# Altium PCB Mother_Board_PCB.PcbDoc (part 2 of 2)
Units mm, origin at the board's own origin, x right, y up, seen from the top; angles counter-clockwise.
Board outline 169 x 150.57 mm, 2 copper layers (Top Layer, Bottom Layer), stack 1.57 mm thick; 88 components, 81 nets, 390 pads, 163 vias.
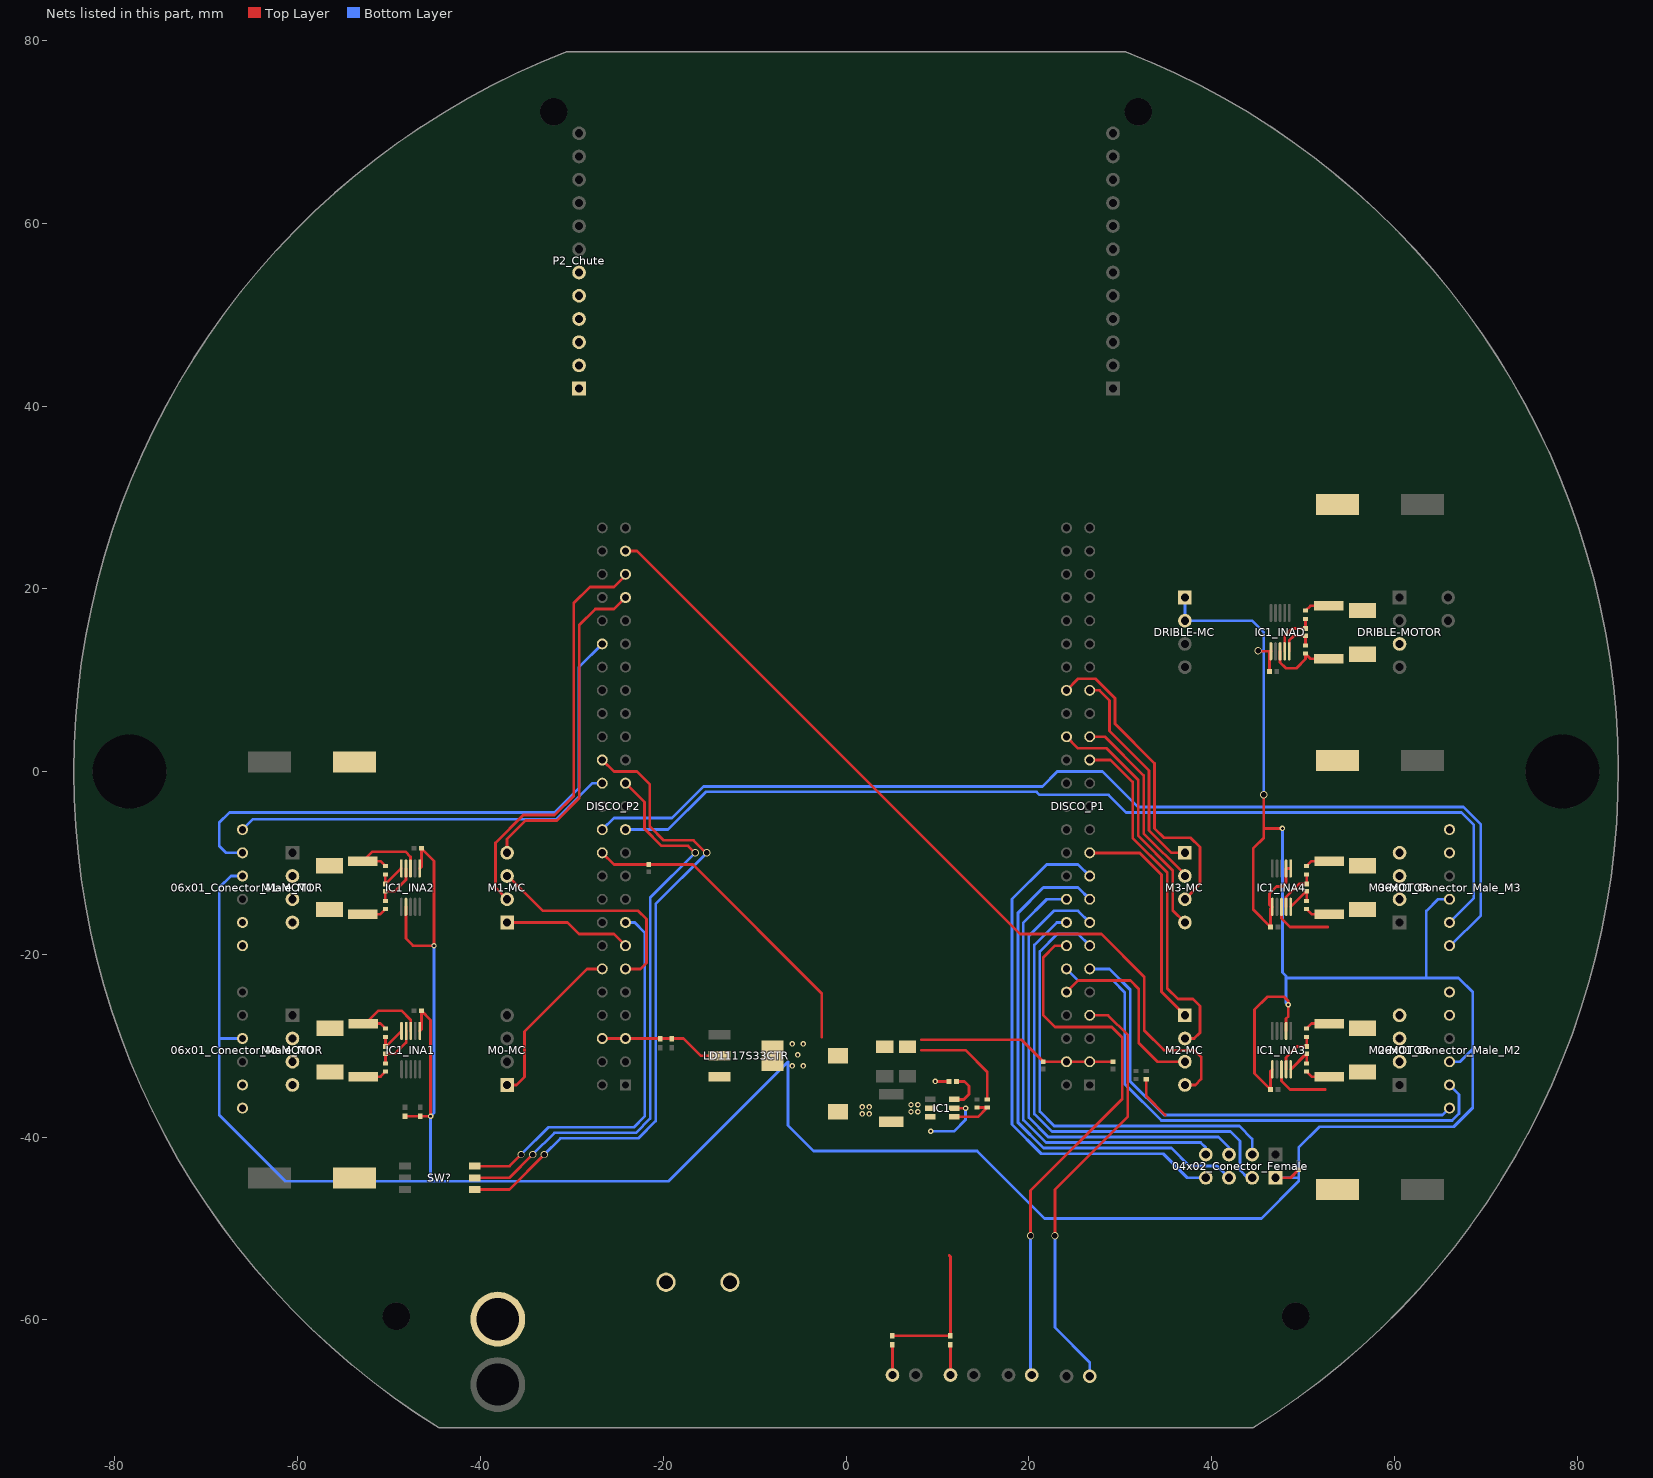
[diagram p2: the nets of this part, all layers, seen from the top]

## Via types
v1: diameter 0.8, hole 0.6, Top Layer to Bottom Layer, 134 vias
v2: diameter 0.6, hole 0.3, Top Layer to Bottom Layer, 29 vias

## Nets (pads, with @x,y where several pads share a name; then routed paths per layer and width w, separated by ;. In a path a pad name is that pad's centre, name@x,y a point inside that pad or via, vN(x,y) a via of type N, cw(c..) or ccw(c..) an arc to the next point about the centre after c; other vN are vias at no path point) (continued)
M0_MBL: DISCO_P2.12 M0-MC.3 | length 18.6
  Top Layer w0.3: M0-MC.3@-37.084,-34.29 -36.068,-34.29 -35.179,-33.401 -35.179,-28.448 -28.321,-21.59 DISCO_P2.12@-26.67,-21.59
M1_ENCA: 06x01_Conector_Male_M1.2 DISCO_P2.40 | length 63.1
  Bottom Layer w0.3: 06x01_Conector_Male_M1.2@-66.04,-8.89 -67.818,-8.89 -68.58,-8.128 -68.58,-5.588 -67.464,-4.472 -31.904,-4.472 -29.21,-1.778 -29.21,11.43 DISCO_P2.40@-26.67,13.97
M1_ENCB: 06x01_Conector_Male_M1.1 DISCO_P2.28 | length 41.5
  Bottom Layer w0.3: 06x01_Conector_Male_M1.1@-66.04,-6.35 -64.897,-5.207 -31.663,-5.207 -31.177,-4.721 -27.726,-1.27 DISCO_P2.28@-26.67,-1.27
M1_MAH: DISCO_P2.43 M1-MC.0 | length 36.5
  Top Layer w0.3: M1-MC.0@-37.084,-8.89 -37.084,-7.372 -35.068,-5.356 -31.639,-5.356 -29.188,-2.905 -29.188,16.024 -27.432,17.78 -25.4,17.78 DISCO_P2.43@-24.13,19.05
M1_MAL: DISCO_P2.11 M1-MC.1 | length 24.5
  Top Layer w0.3: M1-MC.1@-37.02,-11.367 -33.147,-15.24 -22.733,-15.24 -21.844,-16.129 -21.844,-20.955 -22.479,-21.59 DISCO_P2.11@-24.13,-21.59
M1_MBH: DISCO_P2.45 M1-MC.2 | length 45.5
  Top Layer w0.3: M1-MC.2@-37.084,-13.97 -38.354,-12.7 -38.354,-7.793 -35.317,-4.756 -31.888,-4.756 -29.788,-2.656 -29.788,18.432 -28.027,20.193 -25.4,20.193 -24.13,21.463 DISCO_P2.45@-24.13,21.59
M1_MBL: DISCO_P2.13 M1-MC.3 | length 14
  Top Layer w0.3: M1-MC.3@-37.084,-16.51 -30.48,-16.51 -29.21,-17.78 -25.4,-17.78 DISCO_P2.13@-24.13,-19.05
M2_ENCA: 06x01_Conector_Male_M2.2 DISCO_P1.12 | length 59.6
  Bottom Layer w0.3: DISCO_P1.12@24.13,-21.59 25.4,-22.86 29.21,-22.86 30.503,-24.153 30.503,-34.186 34.509,-38.192 66.329,-38.192 67.09,-37.431 67.09,-35.34 06x01_Conector_Male_M2.2@66.04,-34.29
M2_ENCB: 06x01_Conector_Male_M2.1 DISCO_P1.11 | length 52.2
  Bottom Layer w0.3: DISCO_P1.11@26.67,-21.59 28.817,-21.59 31.103,-23.876 31.103,-33.897 34.798,-37.592 65.278,-37.592 06x01_Conector_Male_M2.1@66.04,-36.83
M2_MAH: DISCO_P2.47 M2-MC.0 | length 93.8
  Top Layer w0.3: DISCO_P2.47@-24.13,24.13 -22.86,24.13 19.05,-17.78 27.94,-17.78 32.639,-22.479 32.639,-28.321 34.798,-30.48 38.1,-30.48 38.862,-31.242 38.862,-33.655 38.227,-34.29 M2-MC.0@37.084,-34.29
M2_MAL: DISCO_P1.10 M2-MC.1 | length 20.6
  Top Layer w0.3: DISCO_P1.10@24.13,-24.13 25.4,-22.86 31.115,-22.86 32.039,-23.784 32.039,-29.713 34.076,-31.75 M2-MC.1@37.084,-31.75
M2_MBH: DISCO_P1.29 M2-MC.2 | length 39.1
  Top Layer w0.3: DISCO_P1.29@26.67,1.27 28.956,1.27 31.369,-1.143 31.369,-7.265 35.154,-11.05 35.154,-23.724 36.322,-24.892 37.973,-24.892 38.735,-25.654 38.735,-28.575 38.1,-29.21 M2-MC.2@37.084,-29.21
M2_MBL: DISCO_P1.21 M2-MC.3 | length 25.3
  Top Layer w0.32: DISCO_P1.21@26.67,-8.89 32.131,-8.89 34.544,-11.303 34.544,-24.13 M2-MC.3@37.084,-26.67
M3_ENCA: 06x01_Conector_Male_M3.2 DISCO_P2.23 | length 107.8
  Bottom Layer w0.3: DISCO_P2.23@-24.13,-6.35 -19.477,-6.35 -15.348,-2.221 20.85,-2.221 21.169,-2.54 28.718,-2.54 30.658,-4.48 67.331,-4.48 68.707,-5.856 68.707,-13.843 06x01_Conector_Male_M3.2@66.04,-16.51
M3_ENCB: 06x01_Conector_Male_M3.1 DISCO_P2.24 | length 115.9
  Bottom Layer w0.3: DISCO_P2.24@-26.67,-6.35 -25.4,-5.08 -19.056,-5.08 -15.597,-1.621 21.493,-1.621 23.114,0 28.067,0 31.947,-3.88 67.579,-3.88 69.469,-5.77 69.469,-15.748 66.167,-19.05 06x01_Conector_Male_M3.1@66.04,-19.05
M3_MAH: DISCO_P1.32 M3-MC.0 | length 27.5
  Top Layer w0.3: DISCO_P1.32@24.13,3.81 25.4,2.54 28.535,2.54 31.969,-0.894 31.969,-7.017 35.754,-10.802 35.754,-15.18 M3-MC.0@37.084,-16.51
M3_MAL: DISCO_P1.36 M3-MC.1 | length 35
  Top Layer w0.3: DISCO_P1.36@24.13,8.89 25.4,10.16 27.305,10.16 29.437,8.028 29.437,5.234 33.769,0.902 33.769,-6.21 34.798,-7.239 37.719,-7.239 38.735,-8.255 38.735,-12.319 M3-MC.1@37.084,-13.97
M3_MBH: DISCO_P1.31 M3-MC.2 | length 20.5
  Top Layer w0.3: DISCO_P1.31@26.67,3.81 28.321,3.81 32.569,-0.438 32.569,-6.768 37.084,-11.283 M3-MC.2@37.084,-11.43
M3_MBL: DISCO_P1.35 M3-MC.3 | length 23.6
  Top Layer w0.3: DISCO_P1.35@26.67,8.89 27.726,8.89 28.837,7.779 28.837,4.437 33.169,0.105 33.169,-6.459 35.6,-8.89 M3-MC.3@37.084,-8.89
MA_M0: 06x01_Conector_Male_M0.5 M0-MOTOR.1
MA_M1: 06x01_Conector_Male_M1.5 M1-MOTOR.1
MA_M2: 06x01_Conector_Male_M2.5 M2-MOTOR.1
MA_M3: 06x01_Conector_Male_M3.5 M3-MOTOR.1
MB_M0: 06x01_Conector_Male_M0.6 M0-MOTOR.0
MB_M1: 06x01_Conector_Male_M1.6 M1-MOTOR.0
MB_M2: 06x01_Conector_Male_M2.6 M2-MOTOR.0
MB_M3: 06x01_Conector_Male_M3.6 M3-MOTOR.0
MISO: 04x02_Conector_Female.0 DISCO_P1.18 | length 49.3
  Bottom Layer w0.3: DISCO_P1.18@24.13,-13.97 21.971,-13.97 19.409,-16.532 19.409,-38.121 21.88,-40.592 38.814,-40.592 39.37,-41.148 04x02_Conector_Female.0@39.37,-41.91
MOSI: 04x02_Conector_Female.5 DISCO_P1.17 | length 58.1
  Bottom Layer w0.32: DISCO_P1.17@26.67,-13.97 25.4,-12.7 21.59,-12.7 18.799,-15.491 18.799,-38.374 21.627,-41.202 35.614,-41.202 37.592,-43.18 40.64,-43.18 04x02_Conector_Female.5@41.91,-44.45
NetBAT_0: BAT.0 SW.0
NetC1_1: C1.1 IC1.6 | length 4.3
  Top Layer w0.3: IC1.6@11.841,-35.88 12.888,-35.88 13.462,-35.306 13.462,-34.417 12.954,-33.909 C1.1@12.084,-33.909
NetC1_2: C1.2 IC1.2 L1.1 | length 1.5
  Top Layer w0.3: v2(9.779,-33.909) C1.2@11.284,-33.909
  other v2: 1.778,-37.465 2.54,-37.465 7.112,-37.211 7.874,-37.211 1.778,-36.703 2.54,-36.703 7.112,-36.449 7.874,-36.449
NetC1_INA1_1: C1_INA1.1 IC1_INA1.10 R2_INA1.1 | length 3.5
  Top Layer w0.3: R2_INA1.1@-50.387,-29.026 C1_INA1.1@-50.387,-30.08 -50.343,-30.08 IC1_INA1.10@-48.643,-28.38
NetC1_INA1_2: C1_INA1.2 IC1_INA1.9 R3_INA1.1 | length 5.1
  Top Layer w0.3: R3_INA1.1@-50.387,-31.934 C1_INA1.2@-50.387,-30.88 -49.358,-30.88 -48.133,-29.654 IC1_INA1.9@-48.133,-28.38
NetC1_INA2_1: C1_INA2.1 IC1_INA2.10 R2_INA2.1 | length 3.5
  Top Layer w0.3: R2_INA2.1@-50.412,-11.246 C1_INA2.1@-50.412,-12.3 -48.712,-10.6 IC1_INA2.10@-48.667,-10.6
NetC1_INA2_2: 0R.1 C1_INA2.2 IC1_INA2.9 | length 5.1
  Top Layer w0.3: 0R.1@-50.412,-14.154 C1_INA2.2@-50.412,-13.1 -49.422,-13.1 -48.157,-11.835 IC1_INA2.9@-48.157,-10.6
NetC1_INA3_1: C1_INA3.1 IC1_INA3.10 R2_INA3.1 | length 3.5
  Top Layer w0.3: IC1_INA3.10@48.667,-32.58 50.367,-30.88 C1_INA3.1@50.412,-30.88 R2_INA3.1@50.412,-31.935
NetC1_INA3_2: C1_INA3.2 IC1_INA3.9 R3_INA3.1 | length 5.1
  Top Layer w0.3: IC1_INA3.9@48.157,-32.58 48.157,-31.306 49.383,-30.08 C1_INA3.2@50.412,-30.08 R3_INA3.1@50.412,-29.025
NetC1_INA4_1: C1_INA4.1 IC1_INA4.10 R2_INA4.1 | length 3.5
  Top Layer w0.3: IC1_INA4.10@48.657,-14.8 50.357,-13.1 C1_INA4.1@50.412,-13.1 R2_INA4.1@50.412,-14.155
NetC1_INA4_2: C1_INA4.2 IC1_INA4.9 R3_INA4.1 | length 5
  Top Layer w0.3: IC1_INA4.9@48.157,-14.8 48.157,-13.743 49.6,-12.3 C1_INA4.2@50.412,-12.3 R3_INA4.1@50.412,-11.246
NetC1_INAD_1: C1_INAD.1 IC1_INAD.10 R2_INAD.1 | length 4.2
  Top Layer w0.3: IC1_INAD.10@48.498,13.161 48.498,14.335 49.023,14.86 C1_INAD.1@50.292,14.86 R2_INAD.1@50.292,13.806
NetC1_INAD_2: C1_INAD.2 IC1_INAD.9 R3_INAD.1 | length 5.4
  Top Layer w0.3: IC1_INAD.9@47.998,13.161 47.998,14.851 48.807,15.66 C1_INAD.2@50.292,15.66 R3_INAD.1@50.292,16.715
NetC1_M0_2: FM_M0.1 M0-MOTOR.2
NetC1_M1_2: FM_M1.1 M1-MOTOR.2
NetC1_M2_2: FM_M2.1 M2-MOTOR.2
NetC1_M3_2: FM_M3.1 M3-MOTOR.2
NetCON_DM_1: DF.2 DRIBLE-MOTOR.1
NetDF_1: DF.1 R1_INAD.1 R3_INAD.2 | length 2.8
  Top Layer w0.3: R3_INAD.2@50.292,17.615 50.817,18.14 R1_INAD.1@52.832,18.14
NetFM_M0_2: FM_M0.2 R1_INA1.1 R3_INA1.2 | length 2.7
  Top Layer w0.3: R1_INA1.1@-52.841,-33.38 -50.933,-33.38 R3_INA1.2@-50.387,-32.834
NetFM_M1_2: 0R.2 FM_M1.2 R1_INA2.1 | length 2.7
  Top Layer w0.3: R1_INA2.1@-52.866,-15.6 -50.957,-15.6 0R.2@-50.412,-15.054
NetFM_M2_2: FM_M2.2 R1_INA3.1 R3_INA3.2 | length 2.7
  Top Layer w0.3: R3_INA3.2@50.412,-28.125 50.957,-27.58 R1_INA3.1@52.866,-27.58
NetFM_M3_2: FM_M3.2 R1_INA4.1 R3_INA4.2 | length 2.7
  Top Layer w0.3: R3_INA4.2@50.412,-10.346 50.957,-9.8 R1_INA4.1@52.866,-9.8
NetIC1_4: IC1.4 R1.1 R2.2 | length 5.1
  Top Layer w0.3: IC1.4@11.841,-37.78 14.447,-37.78 R1.1@15.455,-36.772 R2.2@14.351,-36.772
NetLED1_2: 330R.2@5.08,-62.73 LED1.2 | length 3.3
  Top Layer w0.3: LED1.2@5.08,-66.04 330R.2@5.08,-62.73
NetLED2_2: 330R.2@11.43,-62.73 LED2.2 | length 3.3
  Top Layer w0.3: LED2.2@11.43,-66.04 330R.2@11.43,-62.73
NRF_CE: 04x02_Conector_Female.2 DISCO_P1.13 | length 50.5
  Bottom Layer w0.3: DISCO_P1.13@26.67,-19.05 25.4,-17.78 23.114,-17.78 21.209,-19.685 21.209,-37.211 22.79,-38.792 43.042,-38.792 44.45,-40.2 04x02_Conector_Female.2@44.45,-41.91
NRF_CS#: 04x02_Conector_Female.6 DISCO_P1.16 | length 51.6
  Bottom Layer w0.3: DISCO_P1.16@24.13,-16.51 23.069,-16.51 20.609,-18.97 20.609,-37.46 22.541,-39.392 42.059,-39.392 43.11,-40.443 43.11,-43.618 43.942,-44.45 04x02_Conector_Female.6@44.45,-44.45
NRF_IRQ: 04x02_Conector_Female.4 DISCO_P1.19 | length 58.9
  Bottom Layer w0.32: DISCO_P1.19@26.67,-11.43 25.4,-10.16 21.971,-10.16 18.179,-13.952 18.179,-38.631 21.37,-41.822 34.71,-41.822 37.338,-44.45 04x02_Conector_Female.4@39.37,-44.45
S1: DISCO_P1.7 SEN1.2 | length 47.3
  Top Layer w0.3: v1(22.86,-50.8) 22.86,-45.72 30.839,-37.741 30.839,-28.847 28.662,-26.67 DISCO_P1.7@26.67,-26.67
  Bottom Layer w0.3: v1(22.86,-50.8) 22.86,-60.833 26.67,-64.643 SEN1.2@26.67,-66.167
S2: DISCO_P1.14 SEN2.2 | length 60.2
  Top Layer w0.3: v1(20.193,-50.8) 20.193,-45.847 30.226,-35.814 30.226,-29.083 29.083,-27.94 22.86,-27.94 21.59,-26.67 21.59,-20.32 22.86,-19.05 DISCO_P1.14@24.13,-19.05
  Bottom Layer w0.3: v1(20.193,-50.8) 20.193,-65.913 SEN2.2@20.32,-66.04
SCK: 04x02_Conector_Female.1 DISCO_P1.15 | length 52.2
  Bottom Layer w0.3: DISCO_P1.15@26.67,-16.51 25.4,-15.24 22.733,-15.24 20.009,-17.964 20.009,-37.873 22.128,-39.992 40.754,-39.992 41.91,-41.148 04x02_Conector_Female.1@41.91,-41.91
SW1: DISCO_P2.15 SW?.6 | length 43.6
  Top Layer w0.3: SW?.6@-40.64,-43.18 -36.83,-43.18 v1(-35.56,-41.91)
  Bottom Layer w0.3: v1(-35.56,-41.91) -32.582,-38.932 -23.23,-38.932 -22.028,-37.73 -22.028,-17.596 -23.114,-16.51 DISCO_P2.15@-24.13,-16.51
SW2: DISCO_P2.27 SW?.5 | length 65.5
  Top Layer w0.3: SW?.5@-40.64,-44.45 -36.83,-44.45 v1(-34.29,-41.91) ; DISCO_P2.27@-24.13,-1.27 -22.063,-3.337 -22.063,-6.258 -20.193,-8.128 -17.272,-8.128 v1(-16.51,-8.89)
  Bottom Layer w0.3: v1(-34.29,-41.91) -31.912,-39.532 -22.982,-39.532 -21.428,-37.978 -21.428,-13.808 v1(-16.51,-8.89)
SW3: DISCO_P2.30 SW?.4 | length 72.9
  Top Layer w0.3: SW?.4@-40.64,-45.72 -36.83,-45.72 v1(-33.02,-41.91) ; DISCO_P2.30@-26.67,1.27 -25.4,0 -22.86,0 -21.463,-1.397 -21.463,-6.009 -19.944,-7.528 -16.67,-7.528 -15.308,-8.89 v1(-15.24,-8.89)
  Bottom Layer w0.3: v1(-33.02,-41.91) -31.242,-40.132 -22.733,-40.132 -20.828,-38.227 -20.828,-14.478 v1(-15.24,-8.89)
"V+ BAT_INA1": 330R.1 C4.2 CD.1 CM1_M0.1 CM1_M1.1 CM1_M2.1 CM1_M3.1 IC1.3 IC1.5 IC1_INA1.8 IC1_INA2.8 IC1_INA3.8 IC1_INA4.8 IC1_INAD.8 LD1117S33CTR.3 P2_Chute.1 P2_Chute.2 P2_Chute.3 P2_Chute.4 P2_Chute.5 P2_Chute.6 R1_INA1.2 R1_INA2.2 R1_INA3.2 R1_INA4.2 R1_INAD.2 R2_INA1.2 R2_INA2.2 R2_INA3.2 R2_INA4.2 R2_INAD.2 R3.2 SW.1 | length 72.8
  Top Layer w0.3: R2_INA2.2@-50.412,-10.346 -50.957,-9.8 R1_INA2.2@-52.866,-9.8 -51.829,-8.763 -48.22,-8.763 -47.657,-9.326 IC1_INA2.8@-47.657,-10.6 ; R2_INA1.2@-50.387,-28.126 -50.933,-27.58 -52.578,-27.58 -51.16,-26.162 -48.641,-26.162 -47.633,-27.17 IC1_INA1.8@-47.633,-28.38 ; 330R.1@5.08,-61.73 330R.1@11.43,-61.73 11.43,-53.086 11.303,-52.959 ; IC1.5@11.841,-36.83 v2(13.081,-36.83) ; R3.2@32.854,-33.666 32.854,-35.521 34.925,-37.592 ; IC1_INAD.8@47.498,13.161 47.498,11.938 48.133,11.303 49.276,11.303 50.292,12.319 R2_INAD.2@50.292,12.906 50.858,12.34 R1_INAD.2@52.832,12.34 ; IC1_INA3.8@47.657,-32.58 47.657,-33.854 48.601,-34.798 52.451,-34.798 ; IC1_INA4.8@47.657,-14.8 47.657,-16.074 48.601,-17.018 52.705,-17.018 ; R2_INA3.2@50.412,-32.835 50.957,-33.38 R1_INA3.2@52.866,-33.38 ; R2_INA4.2@50.412,-15.055 50.957,-15.6 R1_INA4.2@52.866,-15.6
  Bottom Layer w0.3: v2(9.271,-39.37) 11.811,-39.37 13.081,-38.1 v2(13.081,-36.83)
VCC: 04x02_Conector_Female.7 06x01_Conector_Male_M0.3 06x01_Conector_Male_M1.3 06x01_Conector_Male_M2.3 06x01_Conector_Male_M3.3 100nF.1@29.21,-31.75 100nF.2@21.59,-31.75 100nF.2@-21.59,-10.16 C2.2 C2_INA1.1 C2_INA2.1 C2_INA3.1 C2_INA4.1 C2_INAD.1 C3.2 DISCO_P1.3 DISCO_P1.4 DISCO_P2.5 DISCO_P2.6 DISCO_P2.22 DRIBLE-MC.2 DRIBLE-MC.3 IC1_INA1.6 IC1_INA2.2 IC1_INA2.6 IC1_INA3.2 IC1_INA3.6 IC1_INA4.1 IC1_INA4.2 IC1_INA4.6 IC1_INAD.6 L1.2 LD1117S33CTR.2 LD1117S33CTR.4 MC_C4.2 MC_C5.2 MC_R1.2 MC_R2.2 NRF_CON.1 R1.2 | length 491.4
  Top Layer w0.3: MC_R2.2@-48.26,-37.711 MC_R1.2@-46.609,-37.711 -45.474,-37.711 v2(-45.466,-37.719) -45.466,-27.173 C2_INA1.1@-46.463,-26.176 -46.463,-28.21 IC1_INA1.6@-46.633,-28.38 ; IC1_INA2.2@-48.157,-14.8 -48.157,-18.264 -47.371,-19.05 v2(-45.085,-19.05) -45.085,-9.774 C2_INA2.1@-46.463,-8.396 -46.463,-10.416 IC1_INA2.6@-46.647,-10.6 ; DISCO_P2.6@-26.67,-29.21 DISCO_P2.5@-24.13,-29.21 MC_C5.2@-20.32,-29.21 MC_C4.2@-19.05,-29.21 -17.78,-29.21 -15.889,-31.101 LD1117S33CTR.2@-13.843,-31.101 ; DISCO_P2.22@-26.67,-8.89 -25.4,-10.16 100nF.2@-21.59,-10.16 -16.764,-10.16 -2.667,-24.257 -2.667,-29.083 ; 8.255,-30.48 13.081,-30.48 15.455,-32.854 R1.2@15.455,-35.872 ; 8.255,-29.337 19.177,-29.337 100nF.2@21.59,-31.75 DISCO_P1.4@24.13,-31.75 DISCO_P1.3@26.67,-31.75 100nF.1@29.21,-31.75 ; v1(45.085,13.208) 45.132,13.161 IC1_INAD.6@46.498,13.161 46.336,12.999 C2_INAD.1@46.336,10.957 ; 45.72,-6.223 v2(47.752,-6.223) ; v1(45.72,-2.54) 45.72,-7.239 44.577,-8.382 44.577,-15.118 C2_INA4.1@46.463,-17.004 46.463,-14.994 IC1_INA4.6@46.657,-14.8 ; IC1_INA4.6@46.647,-14.8 46.55,-14.8 46.347,-14.597 46.347,-13.343 47.117,-12.573 47.752,-12.573 48.157,-12.168 IC1_INA4.2@48.157,-10.6 IC1_INA4.1@48.657,-10.6 ; IC1_INA3.6@46.657,-32.58 46.463,-32.774 C2_INA3.1@46.463,-34.784 44.704,-33.025 44.704,-26.035 46.101,-24.638 47.909,-24.638 48.402,-25.131 48.402,-26.782 48.157,-27.027 IC1_INA3.2@48.157,-28.38
  Top Layer w0.32: 04x02_Conector_Female.7@46.99,-44.45 48.66,-44.45 NRF_CON.1@49.53,-43.58
  Bottom Layer w0.3: 06x01_Conector_Male_M0.3@-66.04,-29.21 -68.58,-29.21 ; 06x01_Conector_Male_M1.3@-66.04,-11.43 -67.31,-11.43 -68.58,-12.7 -68.58,-29.21 ; v2(-45.085,-19.05) -45.085,-37.338 v2(-45.466,-37.719) -45.466,-44.831 ; DRIBLE-MC.3@37.084,19.05 DRIBLE-MC.2@37.084,16.51 44.45,16.51 45.72,15.24 45.72,13.208 ; v1(45.085,13.208) 45.72,13.208 ; v1(45.72,-2.54) 45.72,13.208 ; 04x02_Conector_Female.7@46.99,-44.45 49.53,-44.45 ; v2(47.752,-6.223) 47.752,-21.973 48.157,-22.379 48.157,-22.584 ; v2(48.387,-25.527) 48.157,-25.297 48.157,-22.584 ; 06x01_Conector_Male_M2.3@66.04,-31.75 67.183,-31.75 68.58,-30.353 ; 06x01_Conector_Male_M3.3@66.04,-13.97 64.77,-13.97 63.5,-15.24 63.5,-22.584 ; -68.58,-29.21 -68.58,-37.592 -61.341,-44.831 -45.466,-44.831 ; -45.466,-44.831 -19.431,-44.831 -6.35,-31.75 -6.35,-38.735 -3.556,-41.529 14.351,-41.529 21.717,-48.895 45.466,-48.895 49.53,-44.831 49.53,-44.45 ; 48.157,-22.584 63.5,-22.584 ; 49.53,-44.45 49.53,-41.148 51.816,-38.862 66.508,-38.862 68.58,-36.79 68.58,-30.353 ; 63.5,-22.584 67.034,-22.584 68.58,-24.13 68.58,-30.353
  other v2: -5.889,-32.207 -4.689,-32.207 -5.289,-31.007 -5.889,-29.807 -4.689,-29.807
pads on no net: DISCO_P1.6 DISCO_P1.9 DISCO_P1.20 DISCO_P1.24 DISCO_P1.25 DISCO_P1.26 DISCO_P1.27 DISCO_P1.28 DISCO_P1.30 DISCO_P1.33 DISCO_P1.34 DISCO_P1.37 DISCO_P1.38 DISCO_P1.41 DISCO_P1.43 DISCO_P1.44 DISCO_P1.45 DISCO_P1.46 DISCO_P1.47 DISCO_P1.48 DISCO_P2.3 DISCO_P2.4 DISCO_P2.7 DISCO_P2.8 DISCO_P2.9 DISCO_P2.10 DISCO_P2.16 DISCO_P2.17 DISCO_P2.18 DISCO_P2.21 DISCO_P2.29 DISCO_P2.31 DISCO_P2.32 DISCO_P2.33 DISCO_P2.34 DISCO_P2.35 DISCO_P2.36 DISCO_P2.37 DISCO_P2.38 DISCO_P2.39 DISCO_P2.41 DISCO_P2.42 DISCO_P2.44 IC1_INA1.3 IC1_INA2.3 IC1_INA3.3 IC1_INA4.3 IC1_INAD.3
copper on no net:
  other v1: -54.089,40.193

## Polygon pours and split planes (outlines as drawn)
VCC on Top Layer "Top Layer-No Net" (solid, remove dead copper, pour order 76): 8.509,-28.702 8.509,-31.75 1.27,-31.75 1.27,-33.02 -10.287,-33.02 -10.287,-32.131 -15.621,-32.131 -15.621,-29.718 -10.287,-29.718 -10.287,-28.702
GND on Top Layer "Top Layer-No Net" (solid, remove dead copper, pour order 66): 10.16,-36.322 6.266,-36.322 6.266,-36.83 2.667,-36.83 2.667,-32.004 10.16,-32.004
"V+ BAT_INA1" on Top Layer "Top Layer-No Net" (solid, remove dead copper, pour order 44): -54.612,-29.21 -54.612,-26.67 -54.612,-25.4 -53.342,-25.4 -50.802,-22.86 -45.722,-22.86 -44.452,-22.86 -44.452,-7.672 -45.722,-6.35 -49.48,-6.35 -50.802,-7.672 -50.802,-11.43 -54.612,-11.482 -54.612,-7.62 -54.612,-6.35 -53.342,-6.35 -50.802,-3.81 -45.722,-3.81 -44.452,-2.54 -44.452,-1.522 -45.466,-0.508 -57.152,-0.508 -57.152,2.54 -44.452,2.54 -44.452,38.1 -41.912,40.64 -33.147,40.64 -31.752,42.02 -31.752,55.88 -26.672,55.88 -26.672,36.83 -39.372,36.83 -40.642,35.56 -40.642,-3.81 -40.642,-35.56 -39.372,-36.83 -15.875,-36.83 -15.875,-32.258 -11.811,-32.258 -11.811,-36.83 -10.162,-38.479 -10.162,-50.8 5.078,-50.8 5.078,-42.22 8.888,-42.22 8.888,-50.8 21.614,-50.8 39.354,-33.06 39.354,-22.876 39.368,-19.05 39.368,18.921 44.577,24.13 49.528,24.13 50.798,25.4 50.798,31.623 56.493,31.623 56.493,22.076 55.37,20.953 46.831,20.953 43.18,17.303 43.18,9.652 49.528,9.652 50.798,10.922 50.798,13.335 54.608,13.335 54.608,8.448 52.121,5.961 43.18,5.961 43.18,2.982 57.148,2.982 57.148,-0.508 44.448,-0.508 43.18,-1.776 43.18,-19.05 49.528,-19.05 50.798,-17.78 50.798,-14.418 54.608,-14.521 54.608,-20.306 52.054,-22.86 45.718,-22.86 44.448,-24.13 44.448,-30.466 44.448,-34.276 43.164,-35.56 49.528,-35.56 50.798,-34.29 50.798,-31.752 54.608,-31.752 54.608,-39.37 54.608,-42.257 56.492,-44.096 56.492,-47.387 50.798,-47.387 50.798,-39.37 39.354,-39.37 24.211,-54.61 -10.162,-54.61 -10.162,-58.42 -15.242,-58.42 -15.241,-41.909 -16.51,-40.64 -40.174,-40.64 -41.909,-42.375 -49.487,-42.375 -50.802,-43.69 -50.802,-45.72 -57.152,-45.72 -57.152,-41.912 -54.61,-39.37 -46.228,-39.37 -44.452,-37.594 -44.452,-26.67 -45.722,-25.4 -49.586,-25.4 -50.802,-26.616 -50.802,-29.21
NetFM_M0_2 on Top Layer "Top Layer-No Net" (solid, remove dead copper, pour order 34): -58.42,-31.496 -50.933,-31.496 -50.933,-34.544 -58.42,-34.544
NetBAT_0 on Top Layer "Top Layer-No Net" (solid, remove dead copper, pour order 64): -16.51,-53.467 -16.51,-58.42 -29.21,-58.42 -34.29,-63.5 -41.91,-63.5 -41.91,-53.467
"V+ BAT_INA1" on Top Layer "Top Layer-No Net" (solid, remove dead copper, pour order 68): 10.16,-37.274 3.302,-37.275 3.302,-42.22 10.16,-42.22
NetC1_2 on Top Layer "Top Layer-No Net" (solid, remove dead copper, pour order 27): 10.16,-36.068 10.16,-37.592 6.731,-37.592 6.731,-36.068
NetC1_2 on Top Layer "Top Layer-No Net" (solid, remove dead copper, pour order 26): 3.175,-35.941 3.175,-38.481 -2.413,-38.481 -2.413,-35.941
MA_M2 on Top Layer "Top Layer-No Net" (solid, remove dead copper, pour order 21): 67.31,-25.4 64.77,-25.4 62.23,-27.94 59.436,-27.94 59.436,-30.48 62.23,-30.48 64.77,-27.94 67.31,-27.94
MB_M2 on Top Layer "Top Layer-No Net" (solid, remove dead copper, pour order 22): 67.31,-22.86 64.77,-22.86 62.23,-25.4 59.436,-25.4 59.436,-27.94 62.23,-27.94 64.77,-25.4 67.31,-25.4
MA_M3 on Top Layer "Top Layer-No Net" (solid, remove dead copper, pour order 23): 67.31,-7.62 64.77,-7.62 62.23,-10.16 59.436,-10.16 59.436,-12.7 62.23,-12.7 64.77,-10.16 67.31,-10.16
MB_M3 on Top Layer "Top Layer-No Net" (solid, remove dead copper, pour order 24): 67.31,-5.08 64.77,-5.08 62.23,-7.62 59.436,-7.62 59.436,-10.16 62.23,-10.16 64.77,-7.62 67.31,-7.62
MA_M1 on Top Layer "Top Layer-No Net" (solid, remove dead copper, pour order 13): -67.31,-17.78 -67.31,-15.24 -64.77,-15.24 -62.23,-12.7 -59.309,-12.7 -59.309,-15.24 -62.23,-15.24 -64.77,-17.78
MB_M1 on Top Layer "Top Layer-No Net" (solid, remove dead copper, pour order 12): -67.31,-20.32 -67.31,-17.78 -64.77,-17.78 -62.23,-15.24 -59.309,-15.24 -59.309,-17.78 -62.23,-17.78 -64.77,-20.32
MA_M0 on Top Layer "Top Layer-No Net" (solid, remove dead copper, pour order 11): -67.31,-35.56 -67.31,-33.02 -64.77,-33.02 -62.23,-30.48 -59.309,-30.48 -59.309,-33.02 -62.23,-33.02 -64.77,-35.56
MB_M0 on Top Layer "Top Layer-No Net" (solid, remove dead copper, pour order 10): -67.31,-38.1 -67.31,-35.56 -64.77,-35.56 -62.23,-33.02 -59.309,-33.02 -59.309,-35.56 -62.23,-35.56 -64.77,-38.1
NetC1_M1_2 on Top Layer "Top Layer-No Net" (solid, remove dead copper, pour order 14): -62.23,-10.16 -62.23,-12.7 -59.69,-12.7 -59.309,-12.319 -58.42,-11.43 -54.864,-11.43 -54.864,-8.89 -58.42,-8.89 -59.69,-10.16
NetC1_M0_2 on Top Layer "Top Layer-No Net" (solid, remove dead copper, pour order 15): -62.23,-27.94 -62.23,-30.48 -59.69,-30.48 -59.309,-30.099 -58.42,-29.21 -54.864,-29.21 -54.864,-26.67 -58.42,-26.67 -59.69,-27.94
NetC1_M2_2 on Top Layer "Top Layer-No Net" (solid, remove dead copper, pour order 20): 62.23,-30.48 62.23,-33.02 59.69,-33.02 58.42,-34.29 54.737,-34.29 54.737,-31.75 58.42,-31.75 59.69,-30.48
NetC1_M3_2 on Top Layer "Top Layer-No Net" (solid, remove dead copper, pour order 25): 62.23,-12.7 62.23,-15.24 59.182,-15.24 57.912,-16.51 54.737,-16.51 54.737,-13.97 58.42,-13.97 59.69,-12.7
NetCON_DM_1 on Top Layer "Top Layer-No Net" (solid, remove dead copper, pour order 0): 55.245,11.43 58.42,11.43 59.69,12.7 61.849,12.7 61.849,15.24 59.69,15.24 58.42,13.97 55.245,13.97
DB on Top Layer "Top Layer-No Net" (solid, remove dead copper, pour order 1): 67.31,20.32 59.69,20.32 59.69,17.78 67.31,17.78
DA on Top Layer "Top Layer-No Net" (solid, remove dead copper, pour order 2): 67.31,17.78 59.69,17.78 59.69,15.24 67.31,15.24
GND on Top Layer "Top Layer-No Net" (solid, remove dead copper, pour order 110): 115.649,86.083 109.934,80.368 109.934,-82.7 -102.664,-82.7 -109.268,-76.096 -97.203,-64.031 -97.203,83.035
NetFM_M1_2 on Top Layer "Top Layer-No Net" (solid, remove dead copper, pour order 114): -50.927,-14.732 -50.927,-16.51 -58.42,-16.51 -58.42,-13.97 -54.864,-13.97 -54.102,-14.732
NetFM_M0_2 on Top Layer "Top Layer-No Net" (solid, remove dead copper, pour order 118): -50.902,-32.512 -50.902,-34.29 -58.395,-34.29 -58.395,-31.75 -54.839,-31.75 -54.077,-32.512
NetFM_M2_2 on Top Layer "Top Layer-No Net" (solid, remove dead copper, pour order 120): 58.42,-29.21 58.42,-26.67 50.927,-26.67 50.927,-28.448 53.721,-28.448 53.975,-28.448 54.737,-29.21
NetFM_M3_2 on Top Layer "Top Layer-No Net" (solid, remove dead copper, pour order 122): 58.42,-11.43 58.42,-8.89 50.927,-8.89 50.927,-10.668 53.721,-10.668 53.975,-10.668 54.737,-11.43
NetDF_1 on Top Layer "Top Layer-No Net" (solid, remove dead copper, pour order 124): 58.386,16.51 58.386,19.05 50.893,19.05 50.893,17.272 53.687,17.272 53.941,17.272 54.703,16.51
GND on Bottom Layer "Top Layer-No Net" (solid, remove dead copper, pour order 112): 118.364,90.678 118.364,-85.852 118.618,-86.106 113.665,-91.059 -103.886,-91.059 -103.886,76.708 -94.488,86.106
NetBAT_0 on Bottom Layer "Top Layer-No Net" (solid, remove dead copper, pour order 28): -16.51,-53.34 -16.51,-58.42 -24.13,-58.42 -29.21,-58.42 -34.29,-63.5 -41.91,-63.5 -41.91,-55.88 -41.91,-53.34
NetC1_2 on Bottom Layer "Top Layer-No Net" (solid, remove dead copper, pour order 70): 10.541,-33.02 10.541,-34.671 8.636,-34.671 8.636,-37.889 1.27,-37.889 1.27,-36.322 6.731,-36.322 6.731,-33.02 10.414,-33.02
VCC on Bottom Layer "Top Layer-No Net" (solid, remove dead copper, pour order 80): -3.81,-27.94 -7.62,-27.94 -7.62,-34.29 -3.81,-34.29
MA_M2 on Bottom Layer "Top Layer-No Net" (solid, remove dead copper, pour order 19): 67.31,-25.4 64.77,-25.4 62.23,-27.94 59.436,-27.94 59.436,-30.48 62.23,-30.48 64.77,-27.94 67.31,-27.94
MB_M2 on Bottom Layer "Top Layer-No Net" (solid, remove dead copper, pour order 18): 67.31,-22.86 64.77,-22.86 62.23,-25.4 59.436,-25.4 59.436,-27.94 62.23,-27.94 64.77,-25.4 67.31,-25.4
MA_M3 on Bottom Layer "Top Layer-No Net" (solid, remove dead copper, pour order 17): 67.31,-7.62 64.77,-7.62 62.23,-10.16 59.436,-10.16 59.436,-12.7 62.23,-12.7 64.77,-10.16 67.31,-10.16
MB_M3 on Bottom Layer "Top Layer-No Net" (solid, remove dead copper, pour order 16): 67.31,-5.08 64.77,-5.08 62.23,-7.62 59.436,-7.62 59.436,-10.16 62.23,-10.16 64.77,-7.62 67.31,-7.62
MA_M1 on Bottom Layer "Top Layer-No Net" (solid, remove dead copper, pour order 6): -67.31,-17.78 -67.31,-15.24 -64.77,-15.24 -62.23,-12.7 -59.309,-12.7 -59.309,-15.24 -62.23,-15.24 -64.77,-17.78
MB_M1 on Bottom Layer "Top Layer-No Net" (solid, remove dead copper, pour order 7): -67.31,-20.32 -67.31,-17.78 -64.77,-17.78 -62.23,-15.24 -59.309,-15.24 -59.309,-17.78 -62.23,-17.78 -64.77,-20.32
MA_M0 on Bottom Layer "Top Layer-No Net" (solid, remove dead copper, pour order 8): -67.31,-35.56 -67.31,-33.02 -64.77,-33.02 -62.23,-30.48 -59.309,-30.48 -59.309,-33.02 -62.23,-33.02 -64.77,-35.56
MB_M0 on Bottom Layer "Top Layer-No Net" (solid, remove dead copper, pour order 9): -67.31,-38.1 -67.31,-35.56 -64.77,-35.56 -62.23,-33.02 -59.309,-33.02 -59.309,-35.56 -62.23,-35.56 -64.77,-38.1
DB on Bottom Layer "Top Layer-No Net" (solid, remove dead copper, pour order 5): 67.31,20.32 59.69,20.32 59.69,17.78 67.31,17.78
DA on Bottom Layer "Top Layer-No Net" (solid, remove dead copper, pour order 4): 67.31,15.24 59.69,15.24 59.69,17.78 67.31,17.78

## Keep-outs
Keep-Out Layer:
  the board outline again, w0.05

## Silkscreen, mask and mechanical layers (free items; w line width, h text height)
Top Overlay:
  text "ROBOIME 2016" at -2.286,30.353 h8 r270